# Altium PCB DriversBoard.PcbDoc
Units mil, origin at the board's own origin, x right, y up, seen from the top; angles counter-clockwise.
Board outline 5390 x 3465 mil, 2 copper layers (Top Layer, Bottom Layer), stack 52.406 mil thick; 26 components, 20 nets, 583 pads, 12 vias.
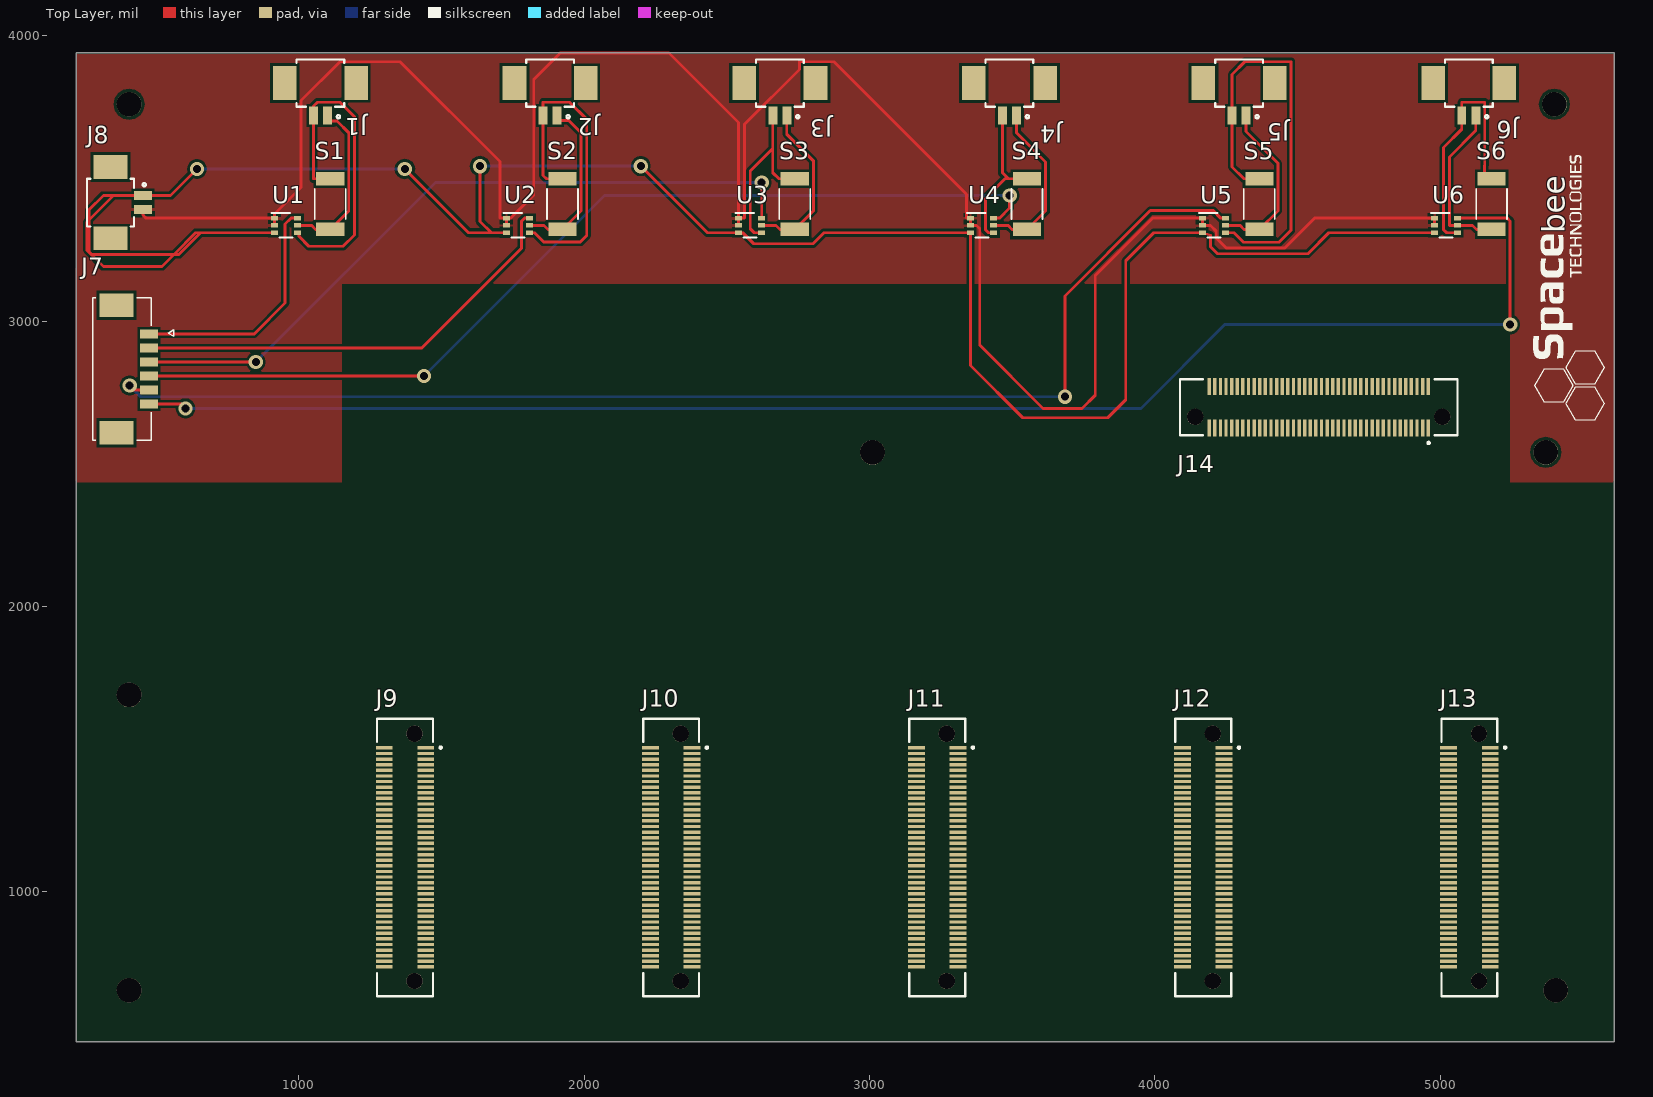
[diagram p0: Top Layer view]
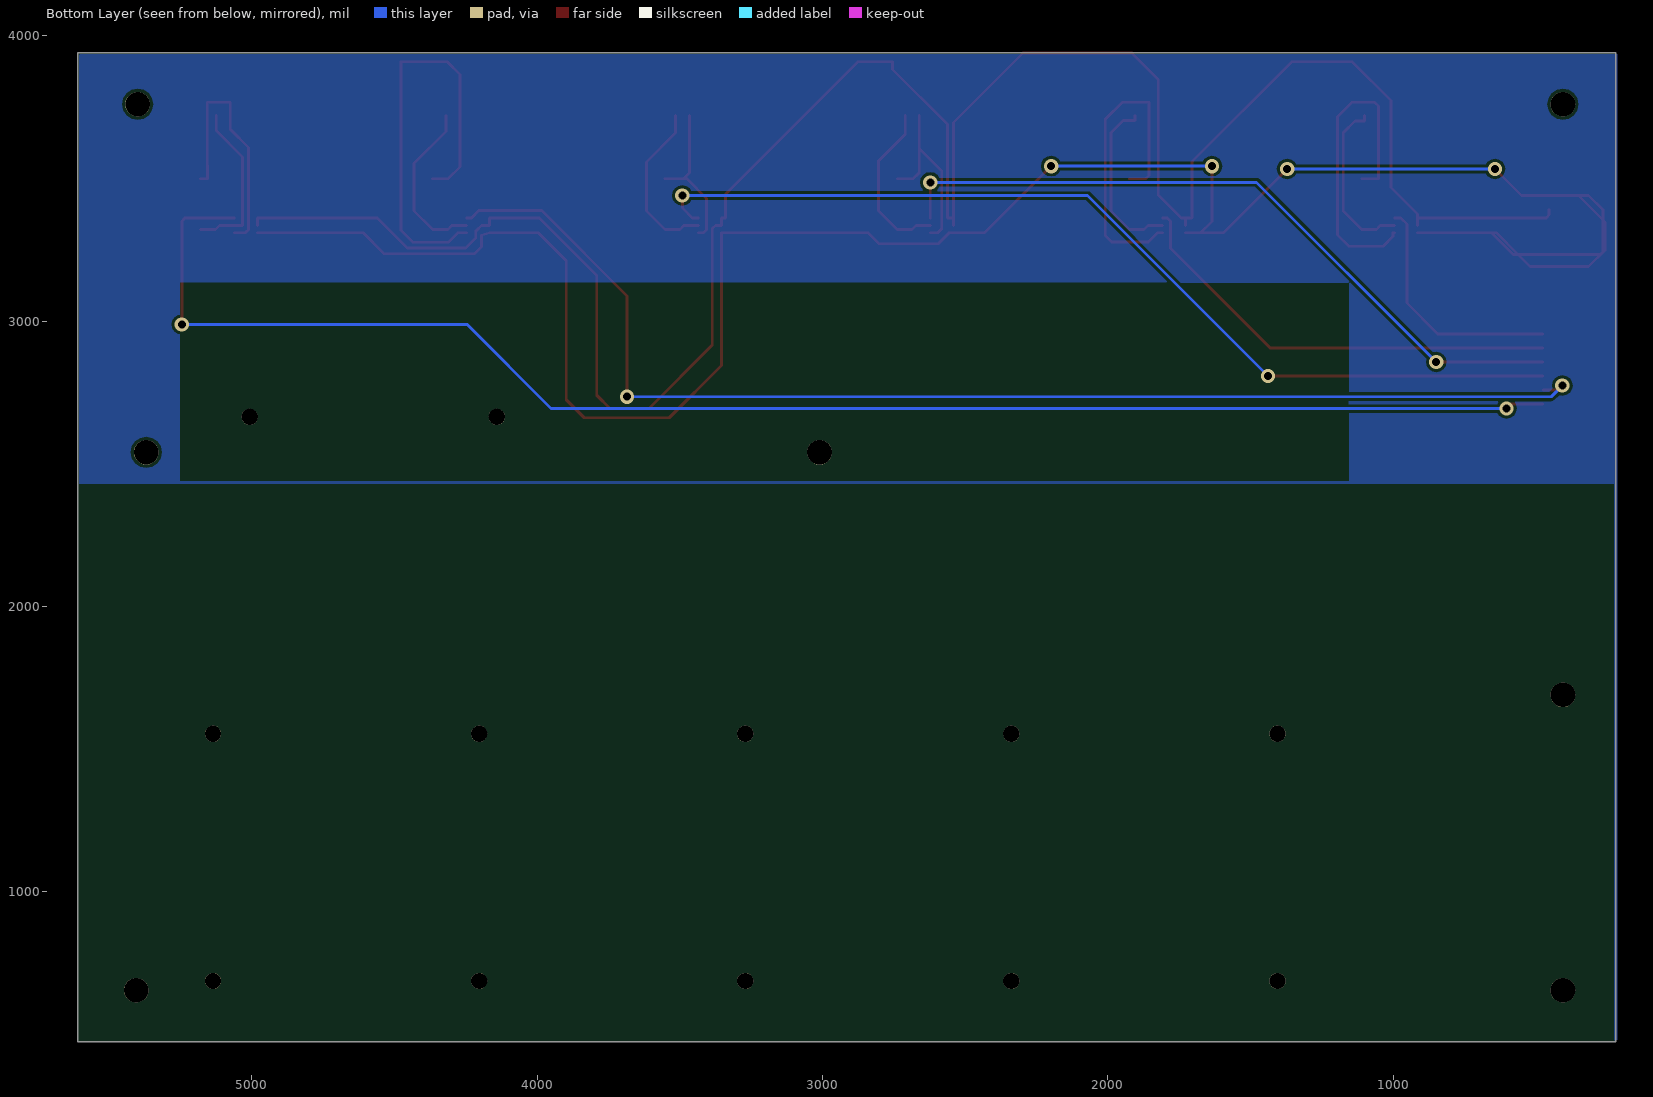
[diagram p1: Bottom Layer view, seen from below]
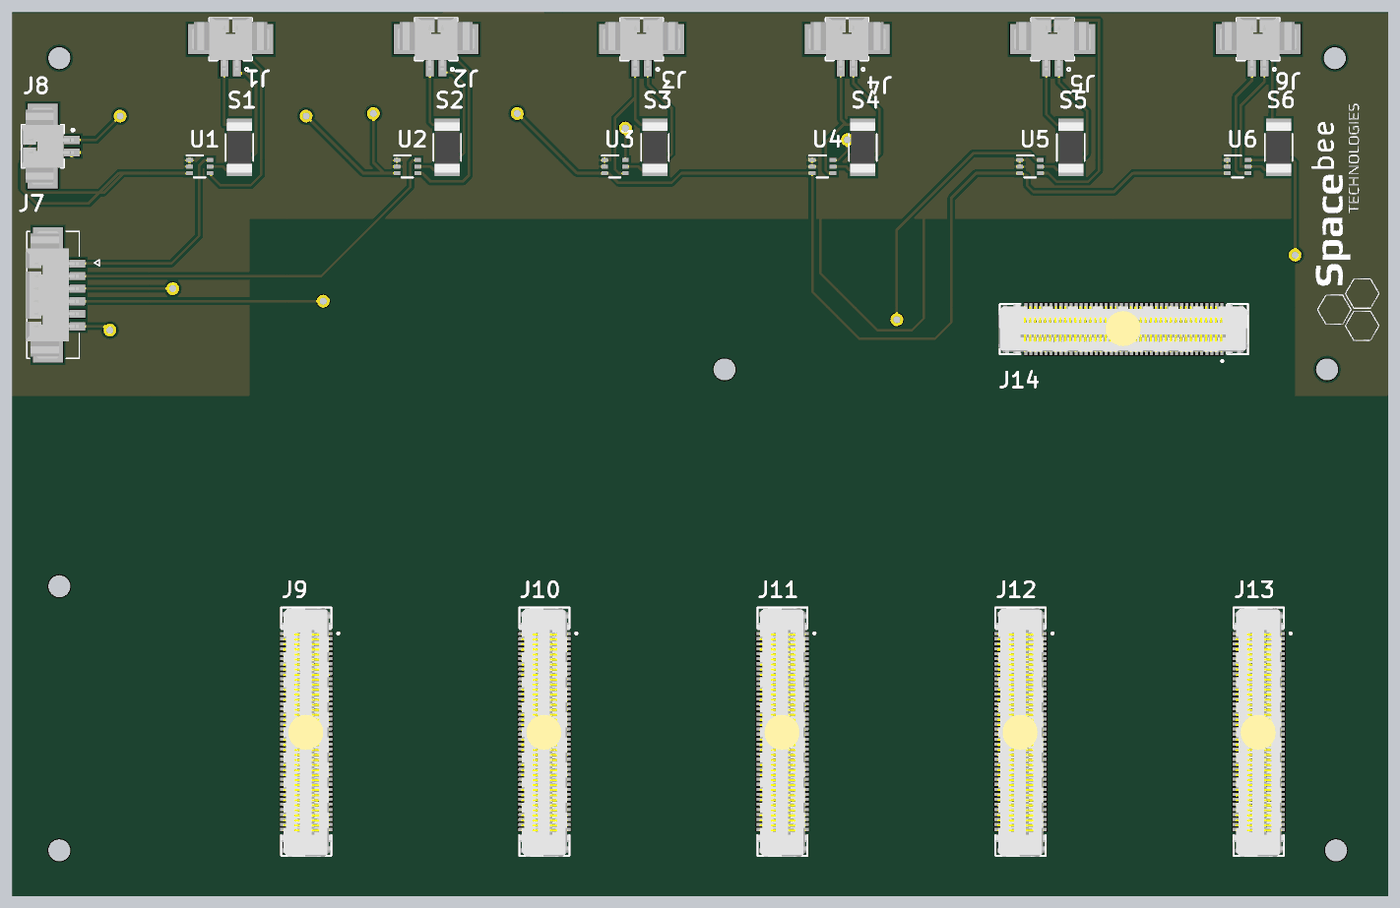
[diagram p2: 3D render of the assembled board from above, using the file's embedded part models]

## Layer stack, top to bottom
Top Solder: solder mask 0.4, Solder Resist, Dk 3.5
Top Layer: signal copper 1.4
Dielectric 1: dielectric 49.6063, FR-4, Dk 4.8
Bottom Layer: signal copper 1.4
Bottom Solder: solder mask 0.4, Solder Resist, Dk 3.5

## Board outline
220,475 5610,475 5610,3940 220,3940

## Design rules (kind name [scope] priority, off if disabled: settings)
Clearance [All] p1: gap=10 ignorepadtopadclearanceinfootprint=TRUE except(0: Arc-Hole Track-Hole SMDPad-Hole THPad-Hole Via-Hole Fill-Hole Poly-Hole Region-Hole Text-Hole)
ComponentClearance [All] p1: gap=0 collisioncheckmode=3 verticalgap=0 showdistances=TRUE
PolygonConnect [All] p1: connectstyle=Relief reliefconductorwidth=10 reliefentries=4 polygonreliefangle="90 Angle" airgapwidth=10
RoutingVias [All] p1: holewidth=28 width=50 viastyle="Through Hole" minholewidth=28 minwidth=50 maxholewidth=28 maxwidth=50
SolderMaskExpansion [All] p1: expansion=4 istentingtop=FALSE
Width [All] p1: maxlimit=10 minlimit=10 preferedwidth=10
29 further rules are at their usual default settings.

## Classes and differential pairs
component class DriversBoard: J1 J2 J3 J4 J5 J6 J7 J8 S1 S2 S3 S4 S5 S6 U1 U2 U3 U4 U5 U6
component class DriverConectors: J9 J10 J11 J12 J13 J14

## Components (designator, comment, footprint, x,y, rotation, side; value= is the part's Value field where it differs from the comment)
J1 "TSW-102-05-T-S" MOLEX_53261-0271 1075.79,3834.17 r180 top (schematic designator P11)
J2 "TSW-102-05-T-S" MOLEX_53261-0271 1880.63,3834.17 r180 top
J3 "TSW-102-05-T-S" MOLEX_53261-0271 2685.47,3834.17 r180 top
J4 "TSW-102-05-T-S" MOLEX_53261-0271 3490.31,3834.17 r180 top
J5 "TSW-102-05-T-S" MOLEX_53261-0271 4295.16,3834.17 r180 top
J6 "TSW-102-05-T-S" MOLEX_53261-0271 5100,3834.17 r180 top
J7 "Header 6" MOLEX_532610671 380.51,2831.97 r270 top
J8 "TSW-102-05-T-S" MOLEX_53261-0271 340,3415 r270 top
J9 "LSHM-140-02.5-L-DV-A-N-K-TR" SAMTEC_LSHM-140-02.5-L-DV-A-N-K-TR 1372.17,1120.47 r90 top
J10 "LSHM-140-02.5-L-DV-A-N-K-TR" SAMTEC_LSHM-140-02.5-L-DV-A-N-K-TR 2304.67,1120.47 r90 top
J11 "LSHM-140-02.5-L-DV-A-N-K-TR" SAMTEC_LSHM-140-02.5-L-DV-A-N-K-TR 3237.17,1120.47 r90 top
J12 "LSHM-140-02.5-L-DV-A-N-K-TR" SAMTEC_LSHM-140-02.5-L-DV-A-N-K-TR 4169.67,1120.47 r90 top
J13 "LSHM-140-02.5-L-DV-A-N-K-TR" SAMTEC_LSHM-140-02.5-L-DV-A-N-K-TR 5102.17,1120.47 r90 top
J14 "LSHM-140-02.5-L-DV-A-N-K-TR" SAMTEC_LSHM-140-02.5-L-DV-A-N-K-TR 4574.21,2697.83 r0 top
S1 "WSL2010R2000FEA18" RC2010N_VIS 1110,3410 r90 top
S2 "WSL2010R2000FEA18" RC2010N_VIS 1924,3410 r90 top
S3 "WSL2010R2000FEA18" RC2010N_VIS 2738,3410 r90 top
S4 "WSL2010R2000FEA18" RC2010N_VIS 3552,3410 r90 top
S5 "WSL2010R2000FEA18" RC2010N_VIS 4366,3410 r90 top
S6 "WSL2010R2000FEA18" RC2010N_VIS 5180,3410 r90 top
U1 "INA210BQDCKRQ1" DCK0006A_L 955,3335 r0 top
U2 "INA210BQDCKRQ1" DCK0006A_L 1768,3335 r0 top
U3 "INA210BQDCKRQ1" DCK0006A_L 2581,3335 r0 top
U4 "INA210BQDCKRQ1" DCK0006A_L 3394,3335 r0 top
U5 "INA210BQDCKRQ1" DCK0006A_L 4207,3335 r0 top
U6 "INA210BQDCKRQ1" DCK0006A_L 5020,3335 r0 top

## Footprints (in the part's own frame and the unit in brackets; to place one, negate y for a bottom-side part, rotate by r counter-clockwise, add the part's x,y. Pads: shape width x height; smd on the part's side, far side on the other; paste and mask are expansions set on the pad)
DCK0006A_L [mm]
  rect 0.65x0.4 smd paste+0 mask+0.051: 1(-1.025,0.65) 2(-1.025,0) 3(-1.025,-0.65) 4(1.025,-0.65) 5(1.025,0) 6(1.025,0.65)
  silkscreen extent -1.3,-1.07 0.55,1.1, body extent -0.64,-1.02 0.64,1.02, height 1.1
MOLEX_53261-0271 [mm]
  rect 0.8x1.6 smd: 1(-0.625,2.9) 2(0.625,2.9)
  rect 2.1x3 smd: P1(-3.175,0) P2(3.175,0)
  silkscreen extent -2.12,-2.1 2.12,3.14, body extent -3.82,-2.12 3.83,3.08, height 3.23
MOLEX_532610671 [mm]
  rect 0.8x1.6 smd mask+0: 1(-3.125,2.4) 2(-1.875,2.4) 3(-0.625,2.4) 4(0.625,2.4) 5(1.875,2.4) 6(3.125,2.4)
  rect 2.1x3 smd mask+0: S1(-5.675,-0.5) S2(5.675,-0.5)
  silkscreen extent -6.32,-2.6 6.33,4.61, body extent -6.32,-2.63 6.33,2.57, height 3.38
RC2010N_VIS [mm]
  rect 1.206x2.5 smd paste+0 mask+0: 1(-2.253,0) 2(2.253,0)
  silkscreen extent -1.34,-1.38 1.34,1.38, body extent -2.5,-1.25 2.5,1.25, height 0.71
SAMTEC_LSHM-140-02.5-L-DV-A-N-K-TR [mm]
  rect 0.3x1.5 smd: 01(9.75,-1.85) 02(9.75,1.85) 03(9.25,-1.85) 04(9.25,1.85) 05(8.75,-1.85) 06(8.75,1.85) 07(8.25,-1.85) 08(8.25,1.85) 09(7.75,-1.85) 10(7.75,1.85) 11(7.25,-1.85) 12(7.25,1.85) 13(6.75,-1.85) 14(6.75,1.85) 15(6.25,-1.85) 16(6.25,1.85) 17(5.75,-1.85) 18(5.75,1.85) 19(5.25,-1.85) 20(5.25,1.85) 21(4.75,-1.85) 22(4.75,1.85) 23(4.25,-1.85) 24(4.25,1.85) 25(3.75,-1.85) 26(3.75,1.85) 27(3.25,-1.85) 28(3.25,1.85) 29(2.75,-1.85) 30(2.75,1.85) 31(2.25,-1.85) 32(2.25,1.85) 33(1.75,-1.85) 34(1.75,1.85) 35(1.25,-1.85) 36(1.25,1.85) 37(0.75,-1.85) 38(0.75,1.85) 39(0.25,-1.85) 40(0.25,1.85) 41(-0.25,-1.85) 42(-0.25,1.85) 43(-0.75,-1.85) 44(-0.75,1.85) 45(-1.25,-1.85) 46(-1.25,1.85) 47(-1.75,-1.85) 48(-1.75,1.85) 49(-2.25,-1.85) 50(-2.25,1.85) 51(-2.75,-1.85) 52(-2.75,1.85) 53(-3.25,-1.85) 54(-3.25,1.85) 55(-3.75,-1.85) 56(-3.75,1.85) 57(-4.25,-1.85) 58(-4.25,1.85) 59(-4.75,-1.85) 60(-4.75,1.85) 61(-5.25,-1.85) 62(-5.25,1.85) 63(-5.75,-1.85) 64(-5.75,1.85) 65(-6.25,-1.85) 66(-6.25,1.85) 67(-6.75,-1.85) 68(-6.75,1.85) 69(-7.25,-1.85) 70(-7.25,1.85) 71(-7.75,-1.85) 72(-7.75,1.85) 73(-8.25,-1.85) 74(-8.25,1.85) 75(-8.75,-1.85) 76(-8.75,1.85) 77(-9.25,-1.85) 78(-9.25,1.85) 79(-9.75,-1.85) 80(-9.75,1.85)
  round 1.45 hole 1.45 unplated: ""(-11,-0.85) ""(11,-0.85)
  silkscreen extent -12.35,-3.27 12.35,2.49, body extent -12.48,-2.49 12.32,2.49, height 3.95

## Part data
J1: library part "Header 2X2", "Header, 2-Pin, Dual row", Mfr_Name="Samtec Inc", Copyright="Copyright (C) 2022 Ultra Librarian. All rights reserved.", Digi-Key_Part_Number_1=SAM1019-02-ND, Digi-Key_Part_Number_2=TSW-102-05-T-S-NDL, Digi-Key_Part_Number_3=612-TSW-102-05-T-S-ND, Manufacturer_Part_Number=TSW-102-05-T-S, RefDes=RefDes, Type=DEV
J2 J3 J4 J5 J6 J8: "No Description Available", Mfr_Name="Samtec Inc", Copyright="Copyright (C) 2022 Ultra Librarian. All rights reserved.", Digi-Key_Part_Number_1=SAM1019-02-ND, Digi-Key_Part_Number_2=TSW-102-05-T-S-NDL, Digi-Key_Part_Number_3=612-TSW-102-05-T-S-ND, Manufacturer_Part_Number=TSW-102-05-T-S, RefDes=RefDes, Type=DEV
J7: "Header, 6-Pin", LatestRevisionDate=17-Jul-2002, LatestRevisionNote="Re-released for DXP Platform.", Publisher="Altium Limited"
J9 J10 J11 J12 J13 J14: "LSHM - Samtec 0.50mm Razor Beam High-Speed Hermaphroditic Terminal / Socket Strip.", Package=None, Availability=Unavailable, MP=LSHM-140-02.5-L-DV-A-N-K-TR, Price=None
S1 S2 S3 S4 S5 S6: "No Description Available", Mfr_Name=Vishay, Copyright="Copyright (C) 2022 Ultra Librarian. All rights reserved.", Manufacturer_Part_Number=WSL2010R2000FEA18, RefDes=RefDes, Type=DEV
U1 U2 U3 U4 U5 U6: "No Description Available", Mfr_Name="Texas Instruments", Copyright="Copyright (C) 2022 Ultra Librarian. All rights reserved.", Manufacturer_Part_Number=INA210BQDCKRQ1, RefDes=RefDes, Type=DEV

## Free pads (board coordinates)
  round 86.61 hole 86.61 unplated: 3(405,655) 3(405,1690) 3(405,3760) 3(3010,2540) 3(5370,2540) 3(5400,3760) 3(5405,655)

## Via types
v1: diameter 50, hole 28, Top Layer to Bottom Layer, 12 vias

## Nets (pads, with @x,y where several pads share a name; then routed paths per layer and width w, separated by ;. In a path a pad name is that pad's centre, name@x,y a point inside that pad or via, vN(x,y) a via of type N, cw(c..) or ccw(c..) an arc to the next point about the centre after c; other vN are vias at no path point)
+5V_Supply: J8.1 U1.3 U2.3 U3.3 U4.3 U5.3 U6.3 | length 8151.2
  Top Layer w10: J8.1 350.61,3439.61 265,3354 ; v1(643,3533) 550,3440 315,3440 265,3390 265,3354 ; U1.3 655.41,3309.41 ; v1(1371.41,3533) 1595,3309.41 1675,3309.41 ; v1(1635,3543) 1635,3349.41 1675,3309.41 ; U2.3 1675,3309.41 ; v1(2198.41,3543) 2432,3309.41 U3.3 2555.93,3309.41 2594.34,3271 2802,3271 2840.41,3309.41 U4.3 3354,3309.41 3354,2844 3537,2661 3835,2661 3898,2724 3898,3211.41 3996,3309.41 U5.3 4194.77,3300.64 4194.77,3260.64 4219.41,3236 4536,3236 4609.41,3309.41 U6.3 ; 265,3354 265,3243 275,3233 562,3233 ; 265,3354 258,3347 258,3248 315,3191 520,3191 562,3233 ; 562,3233 579,3233 655.41,3309.41 ; 562,3233 638.41,3309.41 655.41,3309.41
  Bottom Layer w10: v1(643,3533) v1(1371.41,3533) ; v1(1635,3543) v1(2198.41,3543)
GND: J8.2 U1.1 U1.2 U2.1 U2.2 U3.1 U3.2 U4.1 U4.2 U5.1 U5.2 U6.1 U6.2 | length 8203.4
  Top Layer w10: J8.2 454,3390.39 454,3371.59 465,3360.59 U1.1 ; U1.2 U1.1 ; U2.2 U2.1 ; U3.2 U3.1 U3.1@2541,3360.59 ; U6.2 U6.1 4559.59,3360.59 4455,3256 4250,3256 4215,3291 4215,3315 4195,3335 U5.2 U5.1 3991.59,3360.59 3791,3160 3791,2740 3745,2694 3608,2694 3386,2916 3386,3324 3375,3335 U4.2 U4.1 3339.82,3360.59 3339.82,3444.18 2875,3909 2754,3909 2754,3882 2562,3690 2562,3360.59 U3.1@2541,3360.59 ; U1.1 914.65,3374.65 1008,3468 1008,3773 1144,3909 1355,3909 1705,3559 1705,3360.59 U2.1 ; U2.1 1742.17,3360.59 1823,3441.42 1823,3847 1916,3940 2297,3940 2541,3696 U3.1@2541,3360.59
NetJ1_1: J1.1 S1.1 U1.5 | length 596.4
  Top Layer w10: U1.5 1045,3335 1058.69,3321.31 S1.1 1175,3386.31 1175,3660 1133.71,3701.29 1100.39,3701.29 J1.1
NetJ1_2: J1.2 S1.2 U1.4 | length 1141.1
  Top Layer w10: U1.4 1000,3309.41 1000,3297 1035,3262 1155,3262 1195,3302 1195,3716 1144,3767 1065,3767 1051.18,3753.18 J1.2 1051.18,3498.69 S1.2
NetJ2_1: J2.1 S2.1 U2.5 | length 605.5
  Top Layer w10: U2.5 1859,3335 1872.69,3321.31 S2.1 1989,3386.31 1989,3660 1946.06,3702.94 1905.24,3702.94 J2.1
NetJ2_2: J2.2 S2.2 U2.4 | length 1138.1
  Top Layer w10: U2.4 1825.59,3309.41 1858,3277 1986,3277 2009,3300 2009,3707 1949,3767 1856.02,3767 J2.2 1856.02,3510 1867.33,3498.69 S2.2
NetJ3_1: J3.1 S3.1 U3.5 | length 586.4
  Top Layer w10: U3.5 2672,3335 2685.69,3321.31 S3.1 2803,3386.31 2803,3562 2710.08,3654.92 J3.1
NetJ3_2: J3.2 S3.2 U3.4 | length 645.2
  Top Layer w10: U3.4 2596.15,3309.41 2582,3323.56 2582,3526 2660.87,3604.87 ; J3.2 2660.87,3604.87 ; S3.2 2682.17,3498.69 2660.87,3520 2660.87,3604.87
NetJ4_1: J4.1 S4.1 U4.5 | length 591.2
  Top Layer w10: U4.5 3486,3335 3499.69,3321.31 S4.1 3617,3386.31 3617,3558 3514.92,3660.08 J4.1
NetJ4_2: J4.2 S4.2 U4.4 | length 547.1
  Top Layer w10: U4.4 3416.59,3309.41 3406,3320 3406,3429.69 3475,3498.69 3487.02,3498.69 ; J4.2 3465.71,3520 3487.02,3498.69 ; S4.2 3487.02,3498.69
NetJ5_1: J5.1 S5.1 U5.5 | length 596
  Top Layer w10: U5.5 4299,3335 4312.69,3321.31 S5.1 4431,3386.31 4431,3553 4319.76,3664.24 J5.1
NetJ5_2: J5.2 S5.2 U5.4 | length 1513.9
  Top Layer w10: U5.4 4277,3309.41 4310.41,3276 4435,3276 4477,3318 4477,3909 4315,3909 4270.55,3864.55 J5.2 4270.55,3540 4311.86,3498.69 S5.2
NetJ6_1: J6.1 S6.1 U6.5 | length 577
  Top Layer w10: J6.1 5124.61,3667.61 5032,3575 5032,3335 U6.5 5113,3335 5126.69,3321.31 S6.1
NetJ6_2: J6.2 S6.2 U6.4 | length 900.3
  Top Layer w10: U6.4 5022.59,3309.41 5012,3320 5012,3608.61 5075.39,3672 J6.2 5075.39,3767 5156,3767 5156,3546 5155,3545 5155,3498.69 S6.2
Shunt_Out1: J7.1 U1.6 | length 850.6
  Top Layer w10: J7.1 844,2955 952,3063 952,3340 972.59,3360.59 U1.6
Shunt_Out2: J7.2 U2.6 | length 1577.4
  Top Layer w10: J7.2 1430.79,2905.79 1780,3255 1780,3350 1790.59,3360.59 U2.6
Shunt_Out3: J7.3 U3.6 | length 2533.8
  Top Layer w10: J7.3 v1(849.05,2856.57) ; U3.6 2622,3360.59 v1(2622,3486)
  Bottom Layer w10: v1(849.05,2856.57) 1478.47,3486 v1(2622,3486)
Shunt_Out4: J7.4 U4.6 | length 3393
  Top Layer w10: J7.4 v1(1438.36,2807.36) ; U4.6 3455,3360.59 3491,3396.59 v1(3491,3440)
  Bottom Layer w10: v1(1438.36,2807.36) 2071,3440 v1(3491,3440)
Shunt_Out5: J7.5 U5.6 | length 4418.9
  Top Layer w10: v1(407,2774) 422.85,2758.15 J7.5 ; v1(3685,2735) 3685,3088 3984,3387 4204.59,3387 4231,3360.59 U5.6
  Bottom Layer w10: v1(407,2774) 446,2735 v1(3685,2735)
Shunt_Out6: J7.6 U6.6 | length 5449.3
  Top Layer w10: J7.6 588.06,2708.94 v1(603,2694) ; U6.6 5235,3360.59 5245,3350.59 v1(5245,2988)
  Bottom Layer w10: v1(603,2694) 3951,2694 4245,2988 v1(5245,2988)
pads on no net: J1.P1 J1.P2 J2.P1 J2.P2 J3.P1 J3.P2 J4.P1 J4.P2 J5.P1 J5.P2 J6.P1 J6.P2 J7.S1 J7.S2 J8.P1 J8.P2 J9. J9.01 J9.02 J9.03 J9.04 J9.05 J9.06 J9.07 J9.08 J9.09 J9.10 J9.11 J9.12 J9.13 J9.14 J9.15 J9.16 J9.17 J9.18 J9.19 J9.20 J9.21 J9.22 J9.23 J9.24 J9.25 J9.26 J9.27 J9.28 J9.29 J9.30 J9.31 J9.32 J9.33 J9.34 J9.35 J9.36 J9.37 J9.38 J9.39 J9.40 J9.41 J9.42 J9.43 J9.44 J9.45 J9.46 J9.47 J9.48 J9.49 J9.50 J9.51 J9.52 J9.53 J9.54 J9.55 J9.56 J9.57 J9.58 J9.59 J9.60 J9.61 J9.62 J9.63 J9.64 J9.65 J9.66 J9.67 J9.68 J9.69 J9.70 J9.71 J9.72 J9.73 J9.74 J9.75 J9.76 J9.77 J9.78 J9.79 J9.80 J10. J10.01 J10.02 J10.03 J10.04 J10.05 J10.06 J10.07 J10.08 J10.09 J10.10 J10.11 J10.12 J10.13 J10.14 J10.15 J10.16 J10.17 J10.18 J10.19 J10.20 J10.21 J10.22 J10.23 J10.24 J10.25 J10.26 J10.27 J10.28 J10.29 J10.30 J10.31 J10.32 J10.33 J10.34 J10.35 J10.36 J10.37 J10.38 J10.39 J10.40 J10.41 J10.42 J10.43 J10.44 J10.45 J10.46 J10.47 J10.48 J10.49 J10.50 J10.51 J10.52 J10.53 J10.54 J10.55 J10.56 J10.57 J10.58 J10.59 J10.60 J10.61 J10.62 J10.63 J10.64 J10.65 J10.66 J10.67 J10.68 J10.69 J10.70 J10.71 J10.72 J10.73 J10.74 J10.75 J10.76 J10.77 J10.78 J10.79 J10.80 J11. J11.01 J11.02 J11.03 J11.04 J11.05 J11.06 J11.07 J11.08 J11.09 J11.10 J11.11 J11.12 J11.13 J11.14 J11.15 J11.16 J11.17 J11.18 J11.19 J11.20 J11.21 J11.22 J11.23 J11.24 J11.25 J11.26 J11.27 J11.28 J11.29 J11.30 J11.31 J11.32 J11.33 J11.34 J11.35 J11.36 J11.37 J11.38 J11.39 J11.40 J11.41 J11.42 J11.43 J11.44 J11.45 J11.46 J11.47 J11.48 J11.49 J11.50 J11.51 J11.52 J11.53 J11.54 J11.55 J11.56 J11.57 J11.58 J11.59 J11.60 J11.61 J11.62 J11.63 J11.64 J11.65 J11.66 J11.67 J11.68 J11.69 J11.70 J11.71 J11.72 J11.73 J11.74 J11.75 J11.76 J11.77 J11.78 J11.79 J11.80 J12. J12.01 J12.02 J12.03 J12.04 J12.05 J12.06 J12.07 J12.08 J12.09 J12.10 J12.11 J12.12 J12.13 J12.14 J12.15 J12.16 J12.17 J12.18 J12.19 J12.20 J12.21 J12.22 J12.23 J12.24 J12.25 J12.26 J12.27 J12.28 J12.29 J12.30 J12.31 J12.32 J12.33 J12.34 J12.35 J12.36 J12.37 J12.38 J12.39 J12.40 J12.41 J12.42 J12.43 J12.44 J12.45 J12.46 J12.47 J12.48 J12.49 J12.50 J12.51 J12.52 J12.53 J12.54 J12.55 J12.56 J12.57 J12.58 J12.59 J12.60 J12.61 J12.62 J12.63 J12.64 J12.65 J12.66 J12.67 J12.68 J12.69 J12.70 J12.71 J12.72 J12.73 J12.74 J12.75 J12.76 J12.77 J12.78 J12.79 J12.80 J13. J13.01 J13.02 J13.03 J13.04 J13.05 J13.06 J13.07 J13.08 J13.09 J13.10 J13.11 J13.12 J13.13 J13.14 J13.15 J13.16 J13.17 J13.18 J13.19 J13.20 J13.21 J13.22 J13.23 J13.24 J13.25 J13.26 J13.27 J13.28 J13.29 J13.30 J13.31 J13.32 J13.33 J13.34 J13.35 J13.36 J13.37 J13.38 J13.39 J13.40 J13.41 J13.42 J13.43 J13.44 J13.45 J13.46 J13.47 J13.48 J13.49 J13.50 J13.51 J13.52 J13.53 J13.54 J13.55 J13.56 J13.57 J13.58 J13.59 J13.60 J13.61 J13.62 J13.63 J13.64 J13.65 J13.66 J13.67 J13.68 J13.69 J13.70 J13.71 J13.72 J13.73 J13.74 J13.75 J13.76 J13.77 J13.78 J13.79 J13.80 J14. J14.01 J14.02 J14.03 J14.04 J14.05 J14.06 J14.07 J14.08 J14.09 J14.10 J14.11 J14.12 J14.13 J14.14 J14.15 J14.16 J14.17 J14.18 J14.19 J14.20 J14.21 J14.22 J14.23 J14.24 J14.25 J14.26 J14.27 J14.28 J14.29 J14.30 J14.31 J14.32 J14.33 J14.34 J14.35 J14.36 J14.37 J14.38 J14.39 J14.40 J14.41 J14.42 J14.43 J14.44 J14.45 J14.46 J14.47 J14.48 J14.49 J14.50 J14.51 J14.52 J14.53 J14.54 J14.55 J14.56 J14.57 J14.58 J14.59 J14.60 J14.61 J14.62 J14.63 J14.64 J14.65 J14.66 J14.67 J14.68 J14.69 J14.70 J14.71 J14.72 J14.73 J14.74 J14.75 J14.76 J14.77 J14.78 J14.79 J14.80

## Polygon pours and split planes (outlines as drawn)
GND on Top Layer "GND_Top" (solid, pour order 8): 220,3935 5610,3935 5610,468.75 215,468.75
GND on Bottom Layer "GND_Bottom" (solid, pour order 10): 215,3935 5600,3935 5605,3940 5605,480 220,480 215,475

## Other copper
Top Layer:
  pour cut-out: 215,2435 5610,2435 5610,468.75 215,468.75
  pour cut-out: 1150,3130 5245,3130 5245,2435 1150,2435
Bottom Layer:
  pour cut-out: 225,2430 5620,2430 5620,460 225,460
  pour cut-out: 1155,3135 5250,3135 5250,2440 1155,2440

## Silkscreen, mask and mechanical layers (free items; w line width, h text height)
Top Overlay:
  drawing of 20 lines, arcs and shapes, not listed
  text "bee" at 5436.56,3308.44 h78.74 r90